# KiCad board cell-sim.kicad_pcb (continued)
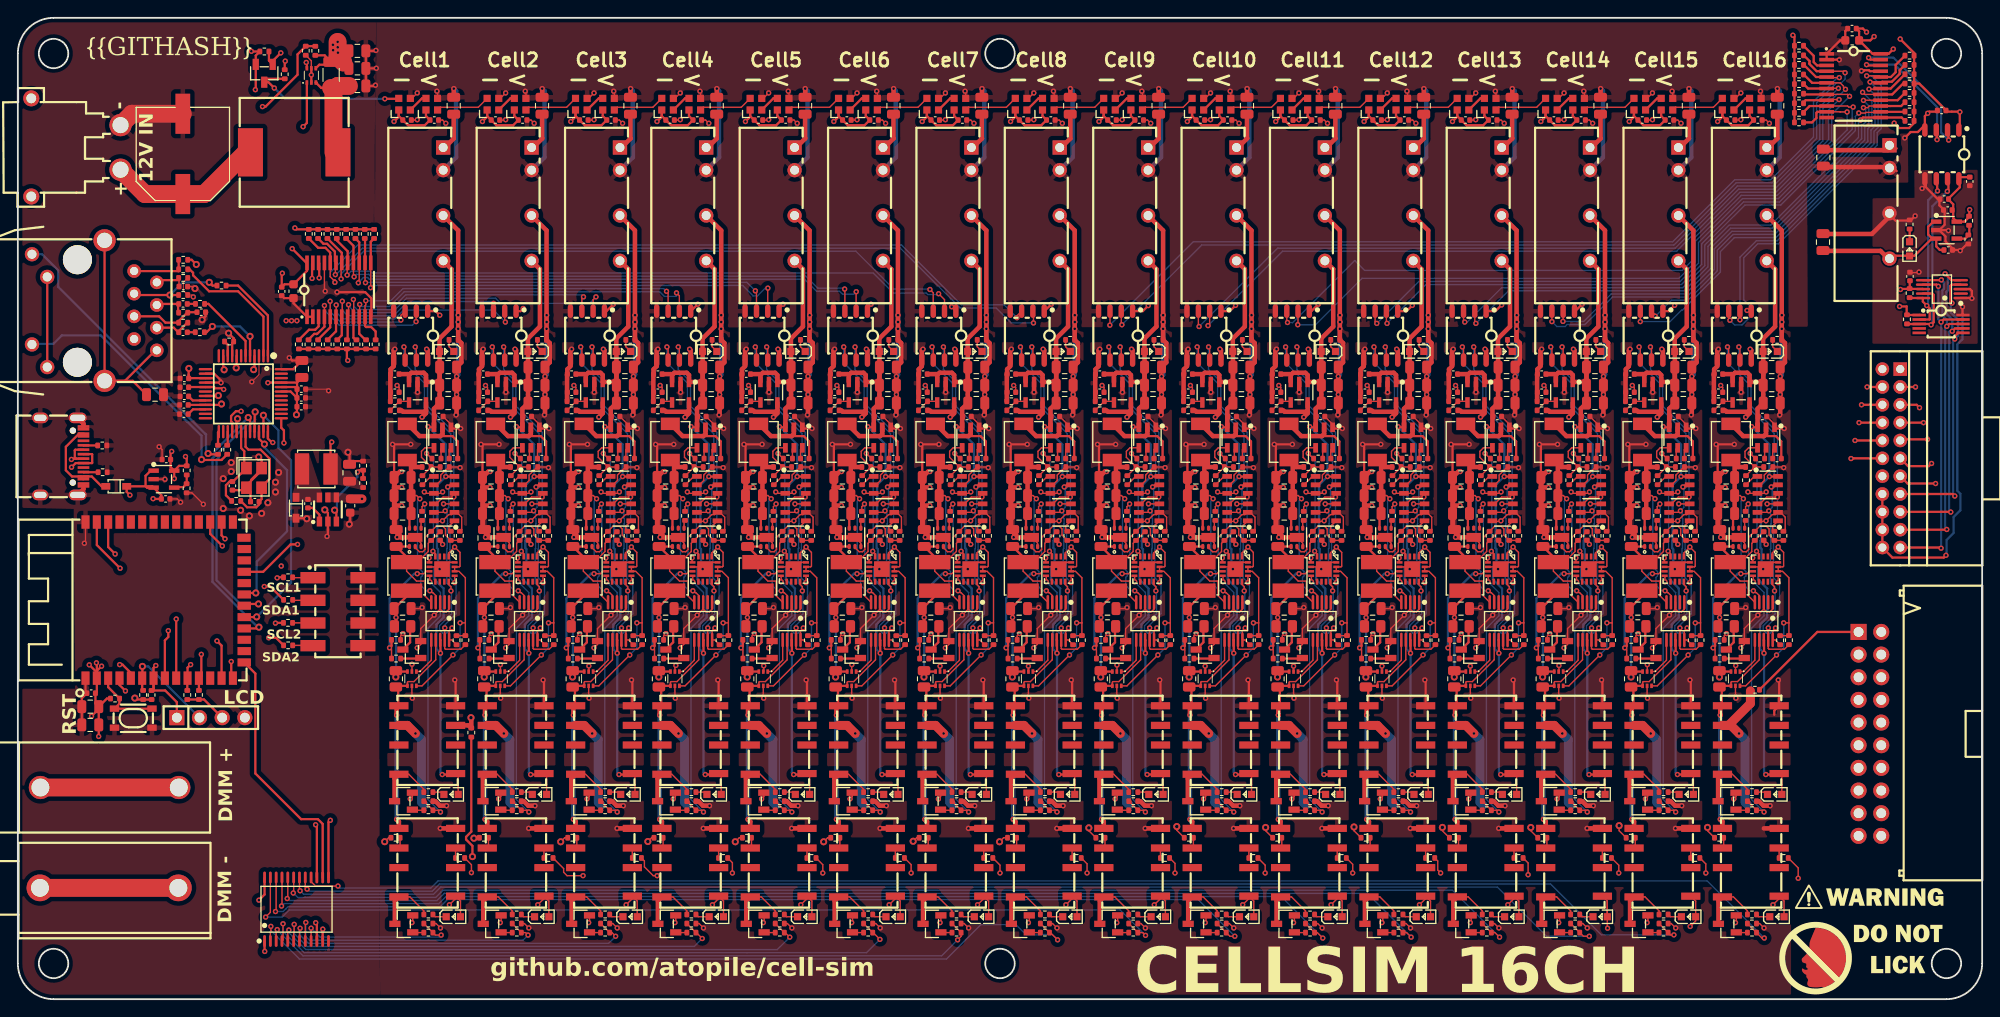
[diagram p0: board, top side]
## Placement (name value [footprint] x y rotation side) (continued)
C190  25V 10uF X5R ±10% 0805 Multilayer Ceramic Capacitors MLCC - SMD/SMT ROHS  [C0805]  131.94 56.45 180 top
C191  25V 10uF X5R ±10% 0805 Multilayer Ceramic Capacitors MLCC - SMD/SMT ROHS  [C0805]  131.94 54.43 180 top
C192  25V 10uF X5R ±10% 0805 Multilayer Ceramic Capacitors MLCC - SMD/SMT ROHS  [C0805]  131.94 58.48 180 top
C193  16V 100nF X7R ±10% 0402 Multilayer Ceramic Capacitors MLCC - SMD/SMT ROHS  [C0402]  137.63 60.6 0 top
C194  25V 1uF X5R ±10% 0402 Multilayer Ceramic Capacitors MLCC - SMD/SMT ROHS  [C0402]  136.14 51.92 270 top
C195  25V 10uF X5R ±10% 0805 Multilayer Ceramic Capacitors MLCC - SMD/SMT ROHS  [C0805]  131.22 51.69 90 top
C196  25V 10uF X5R ±10% 0805 Multilayer Ceramic Capacitors MLCC - SMD/SMT ROHS  [C0805]  131.94 43.78 0 top
C197  16V 100nF X7R ±10% 0402 Multilayer Ceramic Capacitors MLCC - SMD/SMT ROHS  [C0402]  135.49 98.54 0 top
C198  16V 100nF X7R ±10% 0402 Multilayer Ceramic Capacitors MLCC - SMD/SMT ROHS  [C0402]  132.44 98.54 0 top
C199  25V 1uF X5R ±10% 0402 Multilayer Ceramic Capacitors MLCC - SMD/SMT ROHS  [C0402]  131.07 70.06 180 top
C200  25V 1uF X5R ±10% 0402 Multilayer Ceramic Capacitors MLCC - SMD/SMT ROHS  [C0402]  131.07 68.03 180 top
C201  50V 2.2uF X5R ±10% 0805  Multilayer Ceramic Capacitors MLCC - SMD/SMT ROHS  [C0805]  147.56 100.15 90 top
C202  25V 10uF X5R ±10% 0805 Multilayer Ceramic Capacitors MLCC - SMD/SMT ROHS  [C0805]  146.94 70.85 0 top
C203  25V 10uF X5R ±10% 0805 Multilayer Ceramic Capacitors MLCC - SMD/SMT ROHS  [C0805]  146.94 66.82 0 top
C204  25V 10uF X5R ±10% 0805 Multilayer Ceramic Capacitors MLCC - SMD/SMT ROHS  [C0805]  146.94 68.83 0 top
C205  16V 100nF X7R ±10% 0402 Multilayer Ceramic Capacitors MLCC - SMD/SMT ROHS  [C0402]  145.9 65.31 0 top
C206  25V 10uF X5R ±10% 0805 Multilayer Ceramic Capacitors MLCC - SMD/SMT ROHS  [C0805]  141.84 56.45 180 top
C207  25V 10uF X5R ±10% 0805 Multilayer Ceramic Capacitors MLCC - SMD/SMT ROHS  [C0805]  141.84 54.43 180 top
C208  25V 10uF X5R ±10% 0805 Multilayer Ceramic Capacitors MLCC - SMD/SMT ROHS  [C0805]  141.84 58.48 180 top
C209  16V 100nF X7R ±10% 0402 Multilayer Ceramic Capacitors MLCC - SMD/SMT ROHS  [C0402]  147.53 60.6 0 top
C210  25V 1uF X5R ±10% 0402 Multilayer Ceramic Capacitors MLCC - SMD/SMT ROHS  [C0402]  146.04 51.92 270 top
C211  25V 10uF X5R ±10% 0805 Multilayer Ceramic Capacitors MLCC - SMD/SMT ROHS  [C0805]  141.12 51.69 90 top
C212  25V 10uF X5R ±10% 0805 Multilayer Ceramic Capacitors MLCC - SMD/SMT ROHS  [C0805]  141.84 43.78 0 top
C213  16V 100nF X7R ±10% 0402 Multilayer Ceramic Capacitors MLCC - SMD/SMT ROHS  [C0402]  145.39 98.54 0 top
C214  16V 100nF X7R ±10% 0402 Multilayer Ceramic Capacitors MLCC - SMD/SMT ROHS  [C0402]  142.34 98.54 0 top
C215  25V 1uF X5R ±10% 0402 Multilayer Ceramic Capacitors MLCC - SMD/SMT ROHS  [C0402]  140.97 70.06 180 top
C216  25V 1uF X5R ±10% 0402 Multilayer Ceramic Capacitors MLCC - SMD/SMT ROHS  [C0402]  140.97 68.03 180 top
C217  50V 2.2uF X5R ±10% 0805  Multilayer Ceramic Capacitors MLCC - SMD/SMT ROHS  [C0805]  157.46 100.15 90 top
C218  25V 10uF X5R ±10% 0805 Multilayer Ceramic Capacitors MLCC - SMD/SMT ROHS  [C0805]  156.84 70.85 0 top
C219  25V 10uF X5R ±10% 0805 Multilayer Ceramic Capacitors MLCC - SMD/SMT ROHS  [C0805]  156.84 66.82 0 top
C220  25V 10uF X5R ±10% 0805 Multilayer Ceramic Capacitors MLCC - SMD/SMT ROHS  [C0805]  156.83 68.83 0 top
C221  16V 100nF X7R ±10% 0402 Multilayer Ceramic Capacitors MLCC - SMD/SMT ROHS  [C0402]  155.8 65.31 0 top
C222  25V 10uF X5R ±10% 0805 Multilayer Ceramic Capacitors MLCC - SMD/SMT ROHS  [C0805]  151.73 56.45 180 top
C223  25V 10uF X5R ±10% 0805 Multilayer Ceramic Capacitors MLCC - SMD/SMT ROHS  [C0805]  151.73 54.43 180 top
C224  25V 10uF X5R ±10% 0805 Multilayer Ceramic Capacitors MLCC - SMD/SMT ROHS  [C0805]  151.73 58.48 180 top
C225  16V 100nF X7R ±10% 0402 Multilayer Ceramic Capacitors MLCC - SMD/SMT ROHS  [C0402]  157.43 60.6 0 top
C226  25V 1uF X5R ±10% 0402 Multilayer Ceramic Capacitors MLCC - SMD/SMT ROHS  [C0402]  155.94 51.92 270 top
C227  25V 10uF X5R ±10% 0805 Multilayer Ceramic Capacitors MLCC - SMD/SMT ROHS  [C0805]  151.01 51.69 90 top
C228  25V 10uF X5R ±10% 0805 Multilayer Ceramic Capacitors MLCC - SMD/SMT ROHS  [C0805]  151.73 43.78 0 top
C229  16V 100nF X7R ±10% 0402 Multilayer Ceramic Capacitors MLCC - SMD/SMT ROHS  [C0402]  155.29 98.54 0 top
C230  16V 100nF X7R ±10% 0402 Multilayer Ceramic Capacitors MLCC - SMD/SMT ROHS  [C0402]  152.24 98.54 0 top
C231  25V 1uF X5R ±10% 0402 Multilayer Ceramic Capacitors MLCC - SMD/SMT ROHS  [C0402]  150.87 70.06 180 top
C232  25V 1uF X5R ±10% 0402 Multilayer Ceramic Capacitors MLCC - SMD/SMT ROHS  [C0402]  150.87 68.03 180 top
C233  50V 2.2uF X5R ±10% 0805  Multilayer Ceramic Capacitors MLCC - SMD/SMT ROHS  [C0805]  167.36 100.15 90 top
C234  25V 10uF X5R ±10% 0805 Multilayer Ceramic Capacitors MLCC - SMD/SMT ROHS  [C0805]  166.73 70.85 0 top
C235  25V 10uF X5R ±10% 0805 Multilayer Ceramic Capacitors MLCC - SMD/SMT ROHS  [C0805]  166.74 66.82 0 top
C236  25V 10uF X5R ±10% 0805 Multilayer Ceramic Capacitors MLCC - SMD/SMT ROHS  [C0805]  166.73 68.83 0 top
C237  16V 100nF X7R ±10% 0402 Multilayer Ceramic Capacitors MLCC - SMD/SMT ROHS  [C0402]  165.7 65.31 0 top
C238  25V 10uF X5R ±10% 0805 Multilayer Ceramic Capacitors MLCC - SMD/SMT ROHS  [C0805]  161.63 56.45 180 top
C239  25V 10uF X5R ±10% 0805 Multilayer Ceramic Capacitors MLCC - SMD/SMT ROHS  [C0805]  161.63 54.43 180 top
C240  25V 10uF X5R ±10% 0805 Multilayer Ceramic Capacitors MLCC - SMD/SMT ROHS  [C0805]  161.63 58.48 180 top
C241  16V 100nF X7R ±10% 0402 Multilayer Ceramic Capacitors MLCC - SMD/SMT ROHS  [C0402]  167.33 60.6 0 top
C242  25V 1uF X5R ±10% 0402 Multilayer Ceramic Capacitors MLCC - SMD/SMT ROHS  [C0402]  165.84 51.92 270 top
C243  25V 10uF X5R ±10% 0805 Multilayer Ceramic Capacitors MLCC - SMD/SMT ROHS  [C0805]  160.91 51.69 90 top
C244  25V 10uF X5R ±10% 0805 Multilayer Ceramic Capacitors MLCC - SMD/SMT ROHS  [C0805]  161.63 43.78 0 top
C245  16V 100nF X7R ±10% 0402 Multilayer Ceramic Capacitors MLCC - SMD/SMT ROHS  [C0402]  165.18 98.54 0 top
C246  16V 100nF X7R ±10% 0402 Multilayer Ceramic Capacitors MLCC - SMD/SMT ROHS  [C0402]  162.14 98.54 0 top
C247  25V 1uF X5R ±10% 0402 Multilayer Ceramic Capacitors MLCC - SMD/SMT ROHS  [C0402]  160.77 70.06 180 top
C248  25V 1uF X5R ±10% 0402 Multilayer Ceramic Capacitors MLCC - SMD/SMT ROHS  [C0402]  160.77 68.03 180 top
C249  50V 2.2uF X5R ±10% 0805  Multilayer Ceramic Capacitors MLCC - SMD/SMT ROHS  [C0805]  177.25 100.15 90 top
C250  25V 10uF X5R ±10% 0805 Multilayer Ceramic Capacitors MLCC - SMD/SMT ROHS  [C0805]  176.63 70.85 0 top
C251  25V 10uF X5R ±10% 0805 Multilayer Ceramic Capacitors MLCC - SMD/SMT ROHS  [C0805]  176.63 66.82 0 top
C252  25V 10uF X5R ±10% 0805 Multilayer Ceramic Capacitors MLCC - SMD/SMT ROHS  [C0805]  176.63 68.83 0 top
C253  16V 100nF X7R ±10% 0402 Multilayer Ceramic Capacitors MLCC - SMD/SMT ROHS  [C0402]  175.59 65.31 0 top
C254  25V 10uF X5R ±10% 0805 Multilayer Ceramic Capacitors MLCC - SMD/SMT ROHS  [C0805]  171.53 56.45 180 top
C255  25V 10uF X5R ±10% 0805 Multilayer Ceramic Capacitors MLCC - SMD/SMT ROHS  [C0805]  171.53 54.43 180 top
C256  25V 10uF X5R ±10% 0805 Multilayer Ceramic Capacitors MLCC - SMD/SMT ROHS  [C0805]  171.53 58.48 180 top
C257  16V 100nF X7R ±10% 0402 Multilayer Ceramic Capacitors MLCC - SMD/SMT ROHS  [C0402]  177.22 60.6 0 top
C258  25V 1uF X5R ±10% 0402 Multilayer Ceramic Capacitors MLCC - SMD/SMT ROHS  [C0402]  175.74 51.92 270 top
C259  25V 10uF X5R ±10% 0805 Multilayer Ceramic Capacitors MLCC - SMD/SMT ROHS  [C0805]  170.81 51.69 90 top
C260  25V 10uF X5R ±10% 0805 Multilayer Ceramic Capacitors MLCC - SMD/SMT ROHS  [C0805]  171.53 43.78 0 top
C261  16V 100nF X7R ±10% 0402 Multilayer Ceramic Capacitors MLCC - SMD/SMT ROHS  [C0402]  175.08 98.54 0 top
C262  16V 100nF X7R ±10% 0402 Multilayer Ceramic Capacitors MLCC - SMD/SMT ROHS  [C0402]  172.04 98.54 0 top
C263  25V 1uF X5R ±10% 0402 Multilayer Ceramic Capacitors MLCC - SMD/SMT ROHS  [C0402]  170.67 70.06 180 top
C264  25V 1uF X5R ±10% 0402 Multilayer Ceramic Capacitors MLCC - SMD/SMT ROHS  [C0402]  170.67 68.03 180 top
C265  50V 2.2uF X5R ±10% 0805  Multilayer Ceramic Capacitors MLCC - SMD/SMT ROHS  [C0805]  187.15 100.15 90 top
C266  25V 10uF X5R ±10% 0805 Multilayer Ceramic Capacitors MLCC - SMD/SMT ROHS  [C0805]  186.53 70.85 0 top
C267  25V 10uF X5R ±10% 0805 Multilayer Ceramic Capacitors MLCC - SMD/SMT ROHS  [C0805]  186.53 66.82 0 top
C268  25V 10uF X5R ±10% 0805 Multilayer Ceramic Capacitors MLCC - SMD/SMT ROHS  [C0805]  186.53 68.83 0 top
C269  16V 100nF X7R ±10% 0402 Multilayer Ceramic Capacitors MLCC - SMD/SMT ROHS  [C0402]  185.49 65.31 0 top
C270  25V 10uF X5R ±10% 0805 Multilayer Ceramic Capacitors MLCC - SMD/SMT ROHS  [C0805]  181.43 56.45 180 top
C271  25V 10uF X5R ±10% 0805 Multilayer Ceramic Capacitors MLCC - SMD/SMT ROHS  [C0805]  181.43 54.43 180 top
C272  25V 10uF X5R ±10% 0805 Multilayer Ceramic Capacitors MLCC - SMD/SMT ROHS  [C0805]  181.43 58.48 180 top
C273  16V 100nF X7R ±10% 0402 Multilayer Ceramic Capacitors MLCC - SMD/SMT ROHS  [C0402]  187.12 60.6 0 top
C274  25V 1uF X5R ±10% 0402 Multilayer Ceramic Capacitors MLCC - SMD/SMT ROHS  [C0402]  185.63 51.92 270 top
C275  25V 10uF X5R ±10% 0805 Multilayer Ceramic Capacitors MLCC - SMD/SMT ROHS  [C0805]  180.71 51.69 90 top
C276  25V 10uF X5R ±10% 0805 Multilayer Ceramic Capacitors MLCC - SMD/SMT ROHS  [C0805]  181.43 43.78 0 top
C277  16V 100nF X7R ±10% 0402 Multilayer Ceramic Capacitors MLCC - SMD/SMT ROHS  [C0402]  184.98 98.54 0 top
C278  16V 100nF X7R ±10% 0402 Multilayer Ceramic Capacitors MLCC - SMD/SMT ROHS  [C0402]  181.93 98.54 0 top
C279  25V 1uF X5R ±10% 0402 Multilayer Ceramic Capacitors MLCC - SMD/SMT ROHS  [C0402]  180.56 70.06 180 top
C280  25V 1uF X5R ±10% 0402 Multilayer Ceramic Capacitors MLCC - SMD/SMT ROHS  [C0402]  180.56 68.03 180 top
C281  50V 2.2uF X5R ±10% 0805  Multilayer Ceramic Capacitors MLCC - SMD/SMT ROHS  [C0805]  197.05 100.15 90 top
C282  25V 10uF X5R ±10% 0805 Multilayer Ceramic Capacitors MLCC - SMD/SMT ROHS  [C0805]  196.43 70.85 0 top
C283  25V 10uF X5R ±10% 0805 Multilayer Ceramic Capacitors MLCC - SMD/SMT ROHS  [C0805]  196.43 66.82 0 top
C284  25V 10uF X5R ±10% 0805 Multilayer Ceramic Capacitors MLCC - SMD/SMT ROHS  [C0805]  196.43 68.83 0 top
C285  16V 100nF X7R ±10% 0402 Multilayer Ceramic Capacitors MLCC - SMD/SMT ROHS  [C0402]  195.39 65.31 0 top
C286  25V 10uF X5R ±10% 0805 Multilayer Ceramic Capacitors MLCC - SMD/SMT ROHS  [C0805]  191.33 56.45 180 top
C287  25V 10uF X5R ±10% 0805 Multilayer Ceramic Capacitors MLCC - SMD/SMT ROHS  [C0805]  191.33 54.43 180 top
C288  25V 10uF X5R ±10% 0805 Multilayer Ceramic Capacitors MLCC - SMD/SMT ROHS  [C0805]  191.33 58.48 180 top
C289  16V 100nF X7R ±10% 0402 Multilayer Ceramic Capacitors MLCC - SMD/SMT ROHS  [C0402]  197.02 60.6 0 top
C290  25V 1uF X5R ±10% 0402 Multilayer Ceramic Capacitors MLCC - SMD/SMT ROHS  [C0402]  195.53 51.92 270 top
C291  25V 10uF X5R ±10% 0805 Multilayer Ceramic Capacitors MLCC - SMD/SMT ROHS  [C0805]  190.61 51.69 90 top
C292  25V 10uF X5R ±10% 0805 Multilayer Ceramic Capacitors MLCC - SMD/SMT ROHS  [C0805]  191.33 43.78 0 top
C293  16V 100nF X7R ±10% 0402 Multilayer Ceramic Capacitors MLCC - SMD/SMT ROHS  [C0402]  194.88 98.54 0 top
C294  16V 100nF X7R ±10% 0402 Multilayer Ceramic Capacitors MLCC - SMD/SMT ROHS  [C0402]  191.83 98.54 0 top
C295  25V 1uF X5R ±10% 0402 Multilayer Ceramic Capacitors MLCC - SMD/SMT ROHS  [C0402]  190.46 70.06 180 top
C296  25V 1uF X5R ±10% 0402 Multilayer Ceramic Capacitors MLCC - SMD/SMT ROHS  [C0402]  190.46 68.03 180 top
DS1  ?  [SOD-323_L1.8-W1.3-LS2.5-RD]  31.15 55.08 270 top
DS2  ?  [SOD-323_L1.8-W1.3-LS2.5-RD]  11.02 57.48 180 top
J1  ?  [CONN-TH_XT30PW-M]  6.5 95.47 270 top
L1  ?  [IND-SMD_L12.0-W12.0]  30.95 94.92 180 top
L2  ?  [IND-SMD_L4.0-W4.0]  33.42 59.43 0 top
L3  ?  [IND-SMD_L4.4-W4.2]  43.62 62.46 90 top
L4  ?  [IND-SMD_L4.0-W4.0]  43.54 47.39 270 top
L5  ?  [IND-SMD_L4.4-W4.2]  53.52 62.46 90 top
L6  ?  [IND-SMD_L4.0-W4.0]  53.44 47.39 270 top
L7  ?  [IND-SMD_L4.4-W4.2]  63.42 62.46 90 top
L8  ?  [IND-SMD_L4.0-W4.0]  63.34 47.39 270 top
L9  ?  [IND-SMD_L4.4-W4.2]  73.08 62.46 90 top
L10  ?  [IND-SMD_L4.0-W4.0]  73 47.39 270 top
L11  ?  [IND-SMD_L4.4-W4.2]  82.97 62.46 90 top
L12  ?  [IND-SMD_L4.0-W4.0]  82.89 47.39 270 top
L13  ?  [IND-SMD_L4.4-W4.2]  92.87 62.46 90 top
L14  ?  [IND-SMD_L4.0-W4.0]  92.79 47.39 270 top
L15  ?  [IND-SMD_L4.4-W4.2]  102.77 62.46 90 top
L16  ?  [IND-SMD_L4.0-W4.0]  102.69 47.39 270 top
L17  ?  [IND-SMD_L4.4-W4.2]  112.67 62.46 90 top
L18  ?  [IND-SMD_L4.0-W4.0]  112.59 47.39 270 top
L19  ?  [IND-SMD_L4.4-W4.2]  122.57 62.46 90 top
L20  ?  [IND-SMD_L4.0-W4.0]  122.49 47.39 270 top
L21  ?  [IND-SMD_L4.4-W4.2]  132.47 62.46 90 top
L22  ?  [IND-SMD_L4.0-W4.0]  132.39 47.39 270 top
L23  ?  [IND-SMD_L4.4-W4.2]  142.37 62.46 90 top
L24  ?  [IND-SMD_L4.0-W4.0]  142.29 47.39 270 top
L25  ?  [IND-SMD_L4.4-W4.2]  152.26 62.46 90 top
L26  ?  [IND-SMD_L4.0-W4.0]  152.18 47.39 270 top
L27  ?  [IND-SMD_L4.4-W4.2]  162.16 62.46 90 top
L28  ?  [IND-SMD_L4.0-W4.0]  162.08 47.39 270 top
L29  ?  [IND-SMD_L4.4-W4.2]  172.06 62.46 90 top
L30  ?  [IND-SMD_L4.0-W4.0]  171.98 47.39 270 top
L31  ?  [IND-SMD_L4.4-W4.2]  181.96 62.46 90 top
L32  ?  [IND-SMD_L4.0-W4.0]  181.88 47.39 270 top
L33  ?  [IND-SMD_L4.4-W4.2]  191.86 62.46 90 top
L34  ?  [IND-SMD_L4.0-W4.0]  191.78 47.39 270 top
LED1  ?  [LED0603-RD]  211.87 84.1 270 top
LED2  ?  [LED0603-RD]  48.03 72.6 180 top
LED3  ?  [LED0603-RD]  48.52 22.95 0 top
LED4  ?  [LED0603-RD]  48.77 9.24 0 top
LED5  ?  [LED0603-RD]  57.93 72.6 180 top
LED6  ?  [LED0603-RD]  58.42 22.95 0 top
LED7  ?  [LED0603-RD]  58.67 9.24 0 top
LED8  ?  [LED0603-RD]  67.82 72.6 180 top
LED9  ?  [LED0603-RD]  68.32 22.95 0 top
LED10  ?  [LED0603-RD]  68.57 9.24 0 top
LED11  ?  [LED0603-RD]  77.48 72.6 180 top
LED12  ?  [LED0603-RD]  77.98 22.95 0 top
LED13  ?  [LED0603-RD]  78.23 9.24 0 top
LED14  ?  [LED0603-RD]  87.38 72.6 180 top
LED15  ?  [LED0603-RD]  87.88 22.95 0 top
LED16  ?  [LED0603-RD]  88.13 9.24 0 top
LED17  ?  [LED0603-RD]  97.28 72.6 180 top
LED18  ?  [LED0603-RD]  97.77 22.95 0 top
LED19  ?  [LED0603-RD]  98.03 9.24 0 top
LED20  ?  [LED0603-RD]  107.18 72.6 180 top
LED21  ?  [LED0603-RD]  107.67 22.95 0 top
LED22  ?  [LED0603-RD]  107.93 9.24 0 top
LED23  ?  [LED0603-RD]  117.08 72.6 180 top
LED24  ?  [LED0603-RD]  117.57 22.95 0 top
LED25  ?  [LED0603-RD]  117.82 9.24 0 top
LED26  ?  [LED0603-RD]  126.98 72.6 180 top
LED27  ?  [LED0603-RD]  127.47 22.95 0 top
LED28  ?  [LED0603-RD]  127.72 9.24 0 top
LED29  ?  [LED0603-RD]  136.88 72.6 180 top
LED30  ?  [LED0603-RD]  137.37 22.95 0 top
LED31  ?  [LED0603-RD]  137.62 9.24 0 top
LED32  ?  [LED0603-RD]  146.77 72.6 180 top
LED33  ?  [LED0603-RD]  147.27 22.95 0 top
LED34  ?  [LED0603-RD]  147.52 9.24 0 top
LED35  ?  [LED0603-RD]  156.67 72.6 180 top
LED36  ?  [LED0603-RD]  157.16 22.95 0 top
LED37  ?  [LED0603-RD]  157.42 9.24 0 top
LED38  ?  [LED0603-RD]  166.57 72.6 180 top
LED39  ?  [LED0603-RD]  167.06 22.95 0 top
LED40  ?  [LED0603-RD]  167.32 9.24 0 top
LED41  ?  [LED0603-RD]  176.47 72.6 180 top
LED42  ?  [LED0603-RD]  176.96 22.95 0 top
LED43  ?  [LED0603-RD]  177.22 9.24 0 top
LED44  ?  [LED0603-RD]  186.37 72.6 180 top
LED45  ?  [LED0603-RD]  186.86 22.95 0 top
LED46  ?  [LED0603-RD]  187.11 9.24 0 top
LED47  ?  [LED0603-RD]  196.27 72.6 180 top
LED48  ?  [LED0603-RD]  196.76 22.95 0 top
LED49  ?  [LED0603-RD]  197.01 9.24 0 top
Q1  ?  [SOT-23-3_L2.9-W1.3-P1.90-LS2.4-BR]  43.19 22.19 0 top
Q2  ?  [SOT-23-3_L2.9-W1.3-P1.90-LS2.4-BR]  43.23 8.44 0 top
Q3  ?  [SOT-23-3_L2.9-W1.3-P1.90-LS2.4-BR]  44.12 39.19 0 top
Q4  ?  [SOT-23-3_L2.9-W1.3-P1.90-LS2.4-BR]  53.09 22.19 0 top
Q5  ?  [SOT-23-3_L2.9-W1.3-P1.90-LS2.4-BR]  53.13 8.44 0 top
Q6  ?  [SOT-23-3_L2.9-W1.3-P1.90-LS2.4-BR]  54.02 39.19 0 top
Q7  ?  [SOT-23-3_L2.9-W1.3-P1.90-LS2.4-BR]  62.99 22.19 0 top
Q8  ?  [SOT-23-3_L2.9-W1.3-P1.90-LS2.4-BR]  63.02 8.44 0 top
Q9  ?  [SOT-23-3_L2.9-W1.3-P1.90-LS2.4-BR]  63.92 39.19 0 top
Q10  ?  [SOT-23-3_L2.9-W1.3-P1.90-LS2.4-BR]  72.65 22.19 0 top
Q11  ?  [SOT-23-3_L2.9-W1.3-P1.90-LS2.4-BR]  72.68 8.44 0 top
Q12  ?  [SOT-23-3_L2.9-W1.3-P1.90-LS2.4-BR]  73.58 39.19 0 top
Q13  ?  [SOT-23-3_L2.9-W1.3-P1.90-LS2.4-BR]  82.54 22.19 0 top
Q14  ?  [SOT-23-3_L2.9-W1.3-P1.90-LS2.4-BR]  82.58 8.44 0 top
Q15  ?  [SOT-23-3_L2.9-W1.3-P1.90-LS2.4-BR]  83.48 39.19 0 top
Q16  ?  [SOT-23-3_L2.9-W1.3-P1.90-LS2.4-BR]  92.44 22.19 0 top
Q17  ?  [SOT-23-3_L2.9-W1.3-P1.90-LS2.4-BR]  92.48 8.44 0 top
Q18  ?  [SOT-23-3_L2.9-W1.3-P1.90-LS2.4-BR]  93.38 39.19 0 top
Q19  ?  [SOT-23-3_L2.9-W1.3-P1.90-LS2.4-BR]  102.34 22.19 0 top
Q20  ?  [SOT-23-3_L2.9-W1.3-P1.90-LS2.4-BR]  102.38 8.44 0 top
Q21  ?  [SOT-23-3_L2.9-W1.3-P1.90-LS2.4-BR]  103.28 39.19 0 top
Q22  ?  [SOT-23-3_L2.9-W1.3-P1.90-LS2.4-BR]  112.24 22.19 0 top
Q23  ?  [SOT-23-3_L2.9-W1.3-P1.90-LS2.4-BR]  112.28 8.44 0 top
Q24  ?  [SOT-23-3_L2.9-W1.3-P1.90-LS2.4-BR]  113.17 39.19 0 top
Q25  ?  [SOT-23-3_L2.9-W1.3-P1.90-LS2.4-BR]  122.14 22.19 0 top
Q26  ?  [SOT-23-3_L2.9-W1.3-P1.90-LS2.4-BR]  122.18 8.44 0 top
Q27  ?  [SOT-23-3_L2.9-W1.3-P1.90-LS2.4-BR]  123.07 39.19 0 top
Q28  ?  [SOT-23-3_L2.9-W1.3-P1.90-LS2.4-BR]  132.04 22.19 0 top
Q29  ?  [SOT-23-3_L2.9-W1.3-P1.90-LS2.4-BR]  132.08 8.44 0 top
Q30  ?  [SOT-23-3_L2.9-W1.3-P1.90-LS2.4-BR]  132.97 39.19 0 top
Q31  ?  [SOT-23-3_L2.9-W1.3-P1.90-LS2.4-BR]  141.94 22.19 0 top
Q32  ?  [SOT-23-3_L2.9-W1.3-P1.90-LS2.4-BR]  141.97 8.44 0 top
Q33  ?  [SOT-23-3_L2.9-W1.3-P1.90-LS2.4-BR]  142.87 39.19 0 top
Q34  ?  [SOT-23-3_L2.9-W1.3-P1.90-LS2.4-BR]  151.83 22.19 0 top
Q35  ?  [SOT-23-3_L2.9-W1.3-P1.90-LS2.4-BR]  151.87 8.44 0 top
Q36  ?  [SOT-23-3_L2.9-W1.3-P1.90-LS2.4-BR]  152.77 39.19 0 top
Q37  ?  [SOT-23-3_L2.9-W1.3-P1.90-LS2.4-BR]  161.73 22.19 0 top
Q38  ?  [SOT-23-3_L2.9-W1.3-P1.90-LS2.4-BR]  161.77 8.44 0 top
Q39  ?  [SOT-23-3_L2.9-W1.3-P1.90-LS2.4-BR]  162.67 39.19 0 top
Q40  ?  [SOT-23-3_L2.9-W1.3-P1.90-LS2.4-BR]  171.63 22.19 0 top
Q41  ?  [SOT-23-3_L2.9-W1.3-P1.90-LS2.4-BR]  171.67 8.44 0 top
Q42  ?  [SOT-23-3_L2.9-W1.3-P1.90-LS2.4-BR]  172.57 39.19 0 top
Q43  ?  [SOT-23-3_L2.9-W1.3-P1.90-LS2.4-BR]  181.53 22.19 0 top
Q44  ?  [SOT-23-3_L2.9-W1.3-P1.90-LS2.4-BR]  181.57 8.44 0 top
Q45  ?  [SOT-23-3_L2.9-W1.3-P1.90-LS2.4-BR]  182.46 39.19 0 top
Q46  ?  [SOT-23-3_L2.9-W1.3-P1.90-LS2.4-BR]  191.43 22.19 0 top
Q47  ?  [SOT-23-3_L2.9-W1.3-P1.90-LS2.4-BR]  191.47 8.44 0 top
Q48  ?  [SOT-23-3_L2.9-W1.3-P1.90-LS2.4-BR]  192.36 39.19 0 top
R1  62.5mW Thick Film Resistors 50V ±100ppm/℃ ±1% 10kΩ 0402 Chip Resistor - Surface Mount ROHS  [R0402]  10.88 33.69 0 top
R2  62.5mW Thick Film Resistors 50V ±100ppm/℃ ±1% 4.7kΩ 0402 Chip Resistor - Surface Mount ROHS  [R0402]  9.45 62.07 0 top
R3  62.5mW Thick Film Resistors 50V ±100ppm/℃ ±1% 4.7kΩ 0402 Chip Resistor - Surface Mount ROHS  [R0402]  9.5 59.07 0 top
R4  62.5mW Thick Film Resistors 50V ±100ppm/℃ ±1% 200Ω 0402 Chip Resistor - Surface Mount ROHS  [R0402]  22.42 61.58 270 top
R5  62.5mW Thick Film Resistors 50V ±100ppm/℃ ±1% 200Ω 0402 Chip Resistor - Surface Mount ROHS  [R0402]  23.45 61.59 270 top
R6  62.5mW Thick Film Resistors 50V ±100ppm/℃ ±1% 33Ω 0402 Chip Resistor - Surface Mount ROHS  [R0402]  18.52 81.81 180 top
R7  62.5mW Thick Film Resistors 50V ±100ppm/℃ ±1% 33Ω 0402 Chip Resistor - Surface Mount ROHS  [R0402]  22.81 79.99 180 top
R8  62.5mW Thick Film Resistors 50V ±100ppm/℃ ±1% 49.9Ω 0402 Chip Resistor - Surface Mount ROHS  [R0402]  18.52 82.88 180 top
R9  62.5mW Thick Film Resistors 50V ±100ppm/℃ ±1% 49.9Ω 0402 Chip Resistor - Surface Mount ROHS  [R0402]  18.52 78.93 180 top
R10  62.5mW Thick Film Resistors 50V ±1% ±200ppm/℃ 10Ω 0402 Chip Resistor - Surface Mount ROHS  [R0402]  18.52 80.85 180 top
R11  62.5mW Thick Film Resistors 50V ±100ppm/℃ ±1% 33Ω 0402 Chip Resistor - Surface Mount ROHS  [R0402]  20.38 74.76 180 top
R12  62.5mW Thick Film Resistors 50V ±100ppm/℃ ±1% 33Ω 0402 Chip Resistor - Surface Mount ROHS  [R0402]  20.41 77.94 180 top
R13  62.5mW Thick Film Resistors 50V ±100ppm/℃ ±1% 49.9Ω 0402 Chip Resistor - Surface Mount ROHS  [R0402]  18.52 75.83 180 top
R14  62.5mW Thick Film Resistors 50V ±100ppm/℃ ±1% 49.9Ω 0402 Chip Resistor - Surface Mount ROHS  [R0402]  18.52 76.95 0 top
R15  62.5mW Thick Film Resistors 50V ±100ppm/℃ ±1% 12.4kΩ 0402 Chip Resistor - Surface Mount ROHS  [R0402]  23.66 73.72 0 top
R16  62.5mW Thick Film Resistors 50V ±100ppm/℃ ±1% 1MΩ 0402 Chip Resistor - Surface Mount ROHS  [R0402]  24.45 55.85 0 top
R17  ?  [R1206]  35.09 103.6 90 top
R18  62.5mW Thick Film Resistors 50V ±100ppm/℃ ±1% 86.6kΩ 0402 Chip Resistor - Surface Mount ROHS  [R0402]  33.31 106.3 90 top
R19  62.5mW Thick Film Resistors 50V ±100ppm/℃ ±1% 6.19kΩ 0402 Chip Resistor - Surface Mount ROHS  [R0402]  32.25 106.31 270 top
R20  62.5mW Thick Film Resistors 50V ±100ppm/℃ ±1% 10kΩ 0402 Chip Resistor - Surface Mount ROHS  [R0402]  31.47 73.4 270 top
R21  62.5mW Thick Film Resistors 50V ±100ppm/℃ ±1% 10kΩ 0402 Chip Resistor - Surface Mount ROHS  [R0402]  33.63 73.4 90 top
R22  62.5mW Thick Film Resistors 50V ±100ppm/℃ ±1% 10kΩ 0402 Chip Resistor - Surface Mount ROHS  [R0402]  32.55 73.4 90 top
R23  62.5mW Thick Film Resistors 50V ±100ppm/℃ ±1% 10kΩ 0402 Chip Resistor - Surface Mount ROHS  [R0402]  35.78 73.4 90 top
R24  62.5mW Thick Film Resistors 50V ±100ppm/℃ ±1% 10kΩ 0402 Chip Resistor - Surface Mount ROHS  [R0402]  34.7 73.4 90 top
R25  62.5mW Thick Film Resistors 50V ±100ppm/℃ ±1% 10kΩ 0402 Chip Resistor - Surface Mount ROHS  [R0402]  37.92 73.4 90 top
R26  62.5mW Thick Film Resistors 50V ±100ppm/℃ ±1% 10kΩ 0402 Chip Resistor - Surface Mount ROHS  [R0402]  36.85 73.4 90 top
R27  62.5mW Thick Film Resistors 50V ±100ppm/℃ ±1% 10kΩ 0402 Chip Resistor - Surface Mount ROHS  [R0402]  40.07 73.4 90 top
R28  62.5mW Thick Film Resistors 50V ±100ppm/℃ ±1% 10kΩ 0402 Chip Resistor - Surface Mount ROHS  [R0402]  39 73.4 90 top
R29  62.5mW Thick Film Resistors 50V ±100ppm/℃ ±1% 10kΩ 0402 Chip Resistor - Surface Mount ROHS  [R0402]  38.85 85.78 270 top
R30  62.5mW Thick Film Resistors 50V ±100ppm/℃ ±1% 10kΩ 0402 Chip Resistor - Surface Mount ROHS  [R0402]  39.9 85.78 270 top
R31  62.5mW Thick Film Resistors 50V ±100ppm/℃ ±1% 10kΩ 0402 Chip Resistor - Surface Mount ROHS  [R0402]  36.76 85.78 270 top
R32  62.5mW Thick Film Resistors 50V ±100ppm/℃ ±1% 10kΩ 0402 Chip Resistor - Surface Mount ROHS  [R0402]  37.81 85.78 270 top
R33  62.5mW Thick Film Resistors 50V ±100ppm/℃ ±1% 10kΩ 0402 Chip Resistor - Surface Mount ROHS  [R0402]  34.67 85.78 270 top
R34  62.5mW Thick Film Resistors 50V ±100ppm/℃ ±1% 10kΩ 0402 Chip Resistor - Surface Mount ROHS  [R0402]  35.72 85.78 270 top
R35  62.5mW Thick Film Resistors 50V ±100ppm/℃ ±1% 10kΩ 0402 Chip Resistor - Surface Mount ROHS  [R0402]  32.58 85.78 270 top
R36  62.5mW Thick Film Resistors 50V ±100ppm/℃ ±1% 10kΩ 0402 Chip Resistor - Surface Mount ROHS  [R0402]  33.63 85.78 270 top
R37  62.5mW Thick Film Resistors 50V ±100ppm/℃ ±1% 10kΩ 0402 Chip Resistor - Surface Mount ROHS  [R0402]  199.49 106.88 180 top
R38  62.5mW Thick Film Resistors 50V ±100ppm/℃ ±1% 10kΩ 0402 Chip Resistor - Surface Mount ROHS  [R0402]  199.49 104.72 0 top
R39  62.5mW Thick Film Resistors 50V ±100ppm/℃ ±1% 10kΩ 0402 Chip Resistor - Surface Mount ROHS  [R0402]  199.49 105.8 0 top
R40  62.5mW Thick Film Resistors 50V ±100ppm/℃ ±1% 10kΩ 0402 Chip Resistor - Surface Mount ROHS  [R0402]  199.49 102.57 0 top
R41  62.5mW Thick Film Resistors 50V ±100ppm/℃ ±1% 10kΩ 0402 Chip Resistor - Surface Mount ROHS  [R0402]  199.49 103.65 0 top
R42  62.5mW Thick Film Resistors 50V ±100ppm/℃ ±1% 10kΩ 0402 Chip Resistor - Surface Mount ROHS  [R0402]  199.49 100.43 0 top
R43  62.5mW Thick Film Resistors 50V ±100ppm/℃ ±1% 10kΩ 0402 Chip Resistor - Surface Mount ROHS  [R0402]  199.49 101.5 0 top
R44  62.5mW Thick Film Resistors 50V ±100ppm/℃ ±1% 10kΩ 0402 Chip Resistor - Surface Mount ROHS  [R0402]  199.49 98.28 0 top
R45  62.5mW Thick Film Resistors 50V ±100ppm/℃ ±1% 10kΩ 0402 Chip Resistor - Surface Mount ROHS  [R0402]  199.49 99.35 0 top
R46  62.5mW Thick Film Resistors 50V ±100ppm/℃ ±1% 10kΩ 0402 Chip Resistor - Surface Mount ROHS  [R0402]  211.87 99.5 180 top
R47  62.5mW Thick Film Resistors 50V ±100ppm/℃ ±1% 10kΩ 0402 Chip Resistor - Surface Mount ROHS  [R0402]  211.87 98.45 180 top
R48  62.5mW Thick Film Resistors 50V ±100ppm/℃ ±1% 10kΩ 0402 Chip Resistor - Surface Mount ROHS  [R0402]  211.87 101.59 180 top
R49  62.5mW Thick Film Resistors 50V ±100ppm/℃ ±1% 10kΩ 0402 Chip Resistor - Surface Mount ROHS  [R0402]  211.87 100.54 180 top
R50  62.5mW Thick Film Resistors 50V ±100ppm/℃ ±1% 10kΩ 0402 Chip Resistor - Surface Mount ROHS  [R0402]  211.87 103.68 180 top
R51  62.5mW Thick Film Resistors 50V ±100ppm/℃ ±1% 10kΩ 0402 Chip Resistor - Surface Mount ROHS  [R0402]  211.87 102.63 180 top
R52  62.5mW Thick Film Resistors 50V ±100ppm/℃ ±1% 10kΩ 0402 Chip Resistor - Surface Mount ROHS  [R0402]  211.87 105.77 180 top
R53  62.5mW Thick Film Resistors 50V ±100ppm/℃ ±1% 10kΩ 0402 Chip Resistor - Surface Mount ROHS  [R0402]  211.87 104.72 180 top
R54  62.5mW Thick Film Resistors 50V ±100ppm/℃ ±1% 2kΩ 0402 Chip Resistor - Surface Mount ROHS  [R0402]  14.97 34.09 270 top
R55  62.5mW Thick Film Resistors 50V ±100ppm/℃ ±1% 2kΩ 0402 Chip Resistor - Surface Mount ROHS  [R0402]  14.03 34.1 270 top
R56  62.5mW Thick Film Resistors 50V ±100ppm/℃ ±1% 2kΩ 0402 Chip Resistor - Surface Mount ROHS  [R0402]  18.98 34.1 270 top
R57  62.5mW Thick Film Resistors 50V ±100ppm/℃ ±1% 2kΩ 0402 Chip Resistor - Surface Mount ROHS  [R0402]  20.28 34.1 270 top
R58  62.5mW Thick Film Resistors 50V ±100ppm/℃ ±1% 22.6kΩ 0402 Chip Resistor - Surface Mount ROHS  [R0402]  38.67 57.86 90 top
R59  62.5mW Thick Film Resistors 50V ±100ppm/℃ ±1% 4.12kΩ 0402 Chip Resistor - Surface Mount ROHS  [R0402]  38.67 59.8 90 top
R60  62.5mW Thick Film Resistors 50V ±100ppm/℃ ±1% 17.4kΩ 0402  Chip Resistor - Surface Mount ROHS  [R0402]  18.91 59.27 270 top
R61  62.5mW Thick Film Resistors 50V ±100ppm/℃ ±1% 10.2kΩ 0402 Chip Resistor - Surface Mount ROHS  [R0402]  18.9 57.27 270 top
R62  62.5mW Thick Film Resistors 50V ±100ppm/℃ ±1% 10kΩ 0402 Chip Resistor - Surface Mount ROHS  [R0402]  27.61 106.23 180 top
R63  62.5mW Thick Film Resistors 50V ±100ppm/℃ ±1% 10kΩ 0402 Chip Resistor - Surface Mount ROHS  [R0402]  29.89 103.68 270 top
R64  62.5mW Thick Film Resistors 50V ±100ppm/℃ ±1% 14kΩ 0402 Chip Resistor - Surface Mount ROHS  [R0402]  211.87 86.84 90 top
R65  62.5mW Thick Film Resistors 50V ±100ppm/℃ ±1% 10kΩ 0402 Chip Resistor - Surface Mount ROHS  [R0402]  211.58 76.2 90 top
R66  62.5mW Thick Film Resistors 50V ±100ppm/℃ ±1% 10kΩ 0402 Chip Resistor - Surface Mount ROHS  [R0402]  211.87 79.14 90 top
R67  62.5mW Thick Film Resistors 50V ±100ppm/℃ ±1% 11.5kΩ 0402 Chip Resistor - Surface Mount ROHS  [R0402]  218.53 87.25 270 top
R68  62.5mW Thick Film Resistors 50V ±100ppm/℃ ±1% 6.19kΩ 0402 Chip Resistor - Surface Mount ROHS  [R0402]  218.45 85.16 270 top
R69  62.5mW Thick Film Resistors 50V ±100ppm/℃ ±1% 14kΩ 0402 Chip Resistor - Surface Mount ROHS  [R0402]  48.81 73.9 0 top
R70  62.5mW Thick Film Resistors 50V ±100ppm/℃ ±1% 24kΩ 0402 Chip Resistor - Surface Mount ROHS  [R0402]  45.31 58.17 90 top
R71  62.5mW Thick Film Resistors 50V ±100ppm/℃ ±1% 37.4kΩ 0402 Chip Resistor - Surface Mount ROHS  [R0402]  45.78 59.65 0 top
R72  62.5mW Thick Film Resistors 50V ±100ppm/℃ ±1% 10kΩ 0402 Chip Resistor - Surface Mount ROHS  [R0402]  47.81 59.65 0 top
R73  62.5mW Thick Film Resistors 50V ±100ppm/℃ ±1% 10kΩ 0402 Chip Resistor - Surface Mount ROHS  [R0402]  46.89 60.6 0 top
R74  62.5mW Thick Film Resistors 50V ±100ppm/℃ ±1% 43kΩ 0402 Chip Resistor - Surface Mount ROHS  [R0402]  48.49 51.94 270 top
R75  62.5mW Thick Film Resistors 50V ±100ppm/℃ ±1% 60.4kΩ 0402 Chip Resistor - Surface Mount ROHS  [R0402]  46.29 51.93 90 top
R76  62.5mW Thick Film Resistors 50V ±100ppm/℃ ±1% 10kΩ 0402 Chip Resistor - Surface Mount ROHS  [R0402]  49.5 51.94 90 top
R77  62.5mW Thick Film Resistors 50V ±100ppm/℃ ±1% 10kΩ 0402 Chip Resistor - Surface Mount ROHS  [R0402]  45.27 54.17 270 top
R78  125mW Thick Film Resistors 150V ±1% 100mΩ 0805 Chip Resistor - Surface Mount ROHS  [R0805]  42.34 35.91 270 top
R79  62.5mW Thick Film Resistors 50V ±100ppm/℃ ±1% 13kΩ 0402 Chip Resistor - Surface Mount ROHS  [R0402]  45.98 23.21 180 top
R80  62.5mW Thick Film Resistors 50V ±100ppm/℃ ±1% 10kΩ 0402 Chip Resistor - Surface Mount ROHS  [R0402]  45.98 21.18 180 top
R81  62.5mW Thick Film Resistors 50V ±100ppm/℃ ±1% 1kΩ 0402 Chip Resistor - Surface Mount ROHS  [R0402]  45.98 22.19 0 top
R82  62.5mW Thick Film Resistors 50V ±100ppm/℃ ±1% 13kΩ 0402 Chip Resistor - Surface Mount ROHS  [R0402]  45.98 9.49 180 top
R83  62.5mW Thick Film Resistors 50V ±100ppm/℃ ±1% 10kΩ 0402 Chip Resistor - Surface Mount ROHS  [R0402]  45.98 7.46 180 top
